# Allegro board MB1045.brd
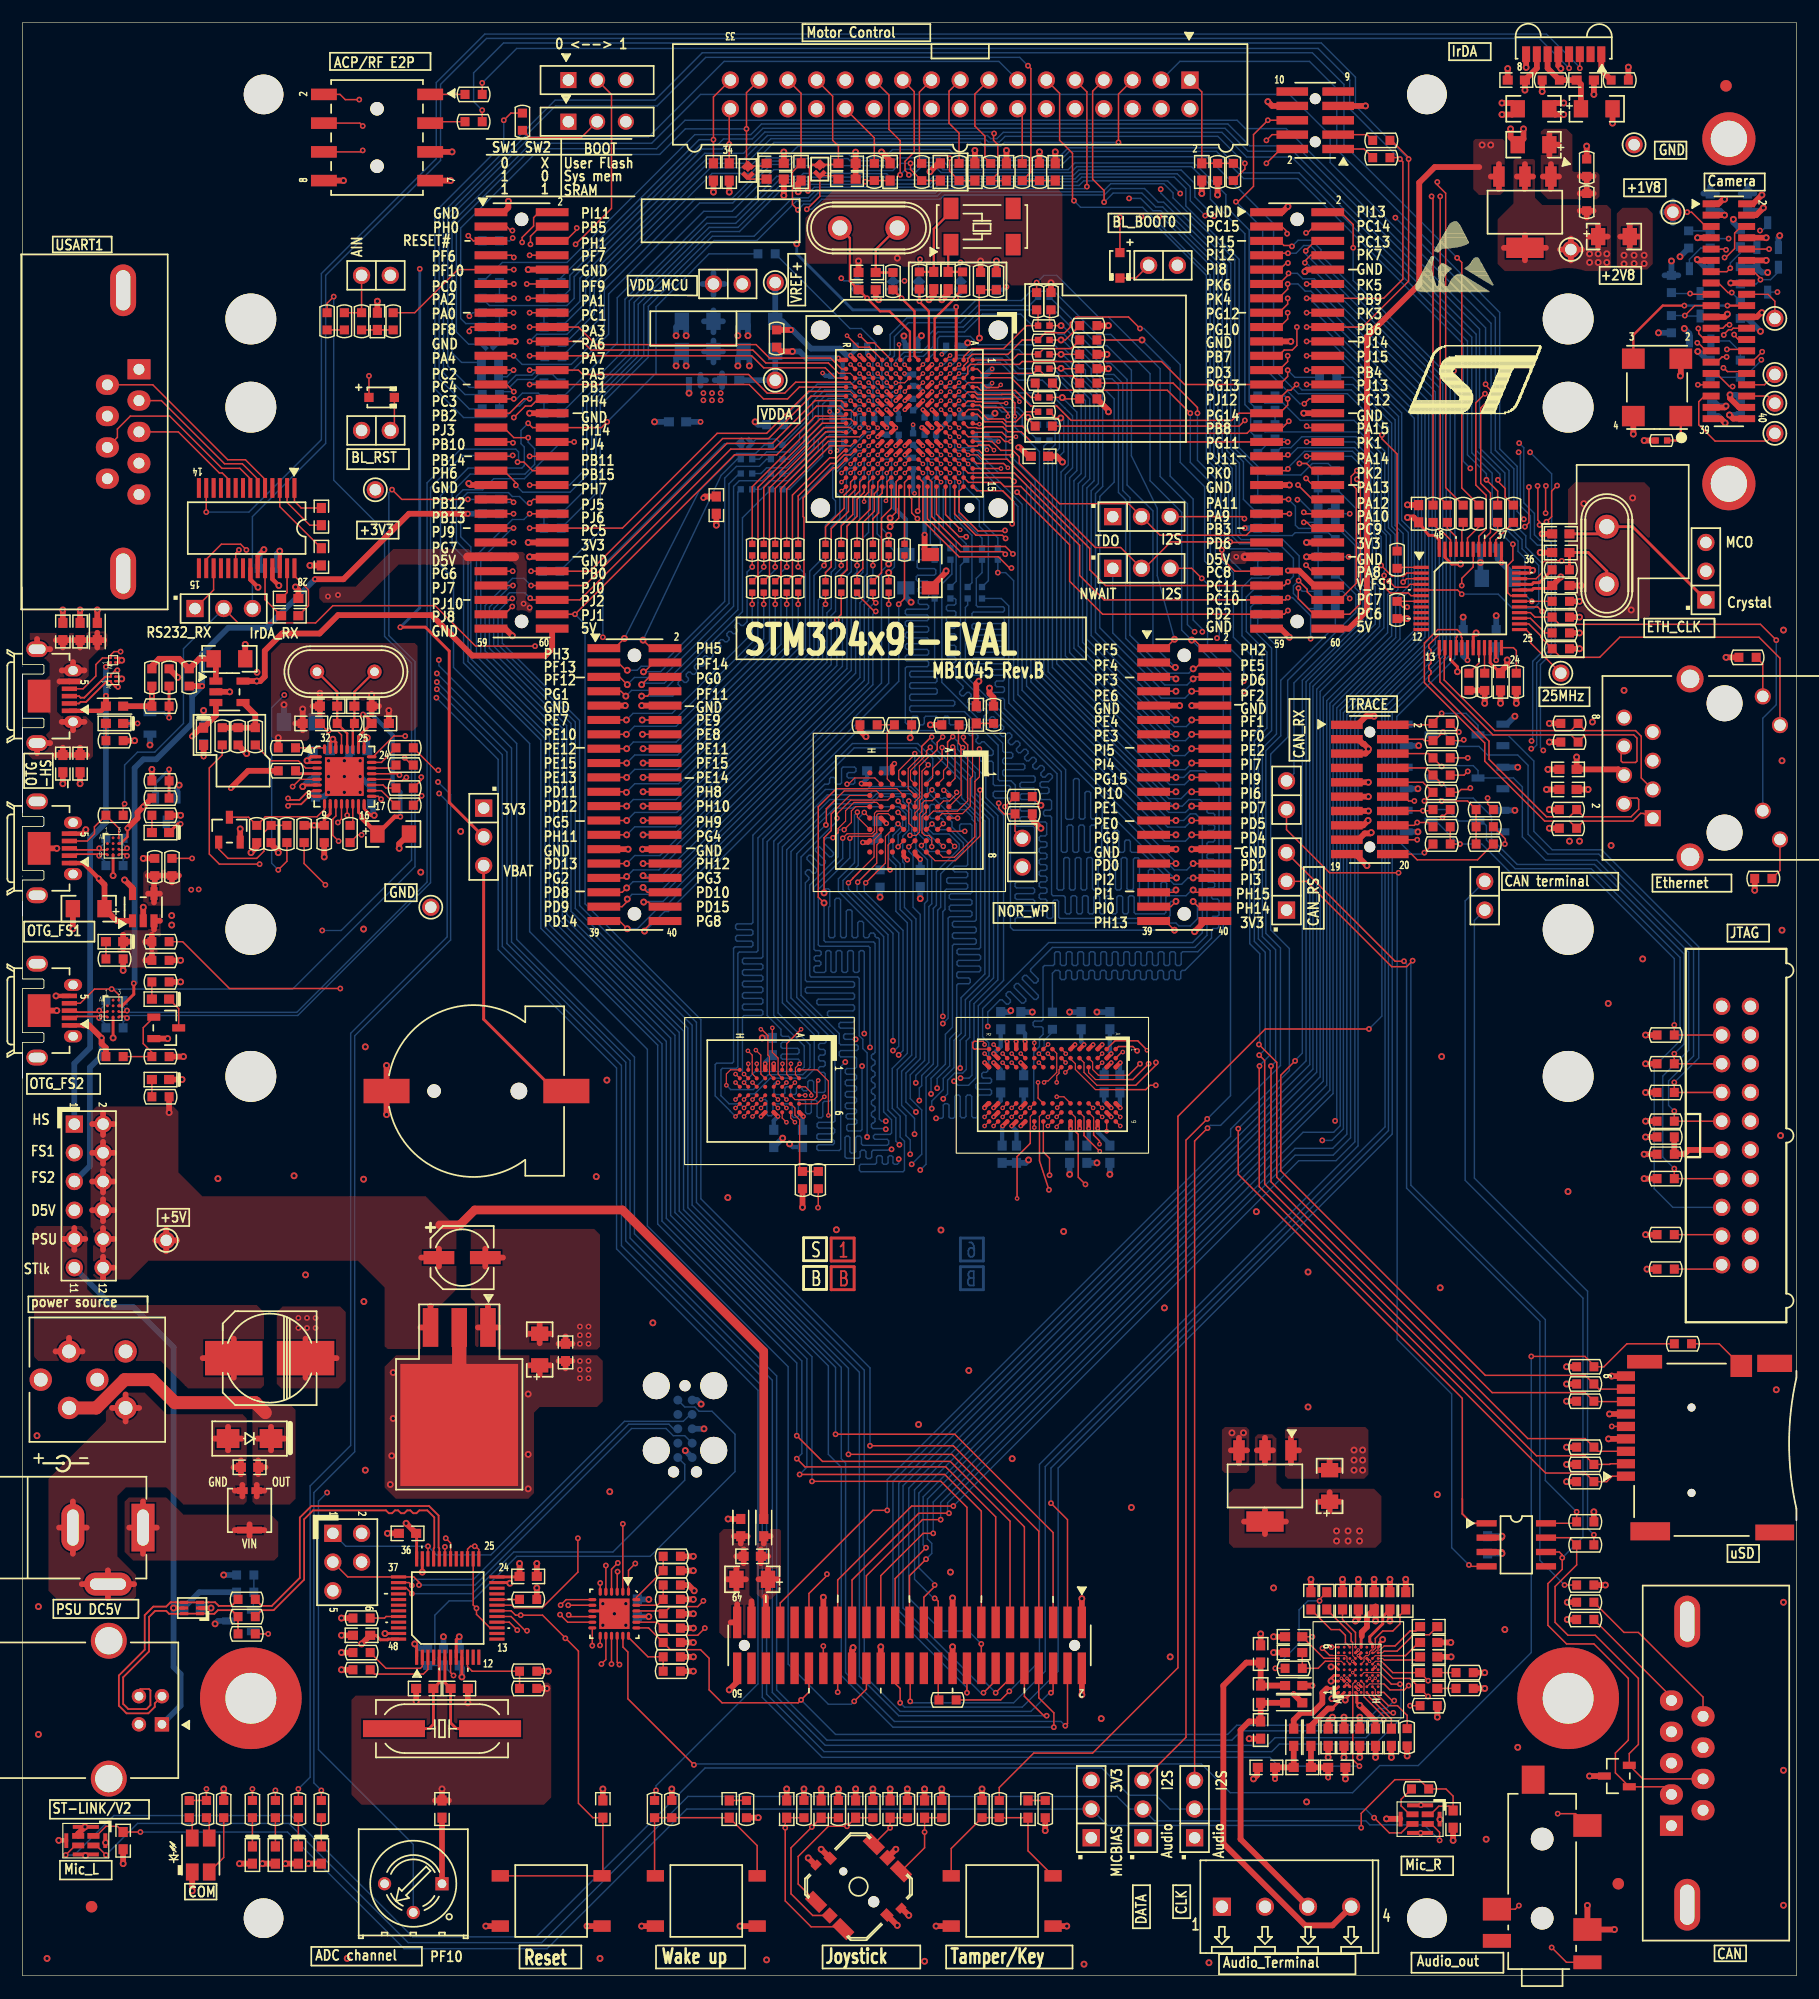
[diagram p0: board, top side]
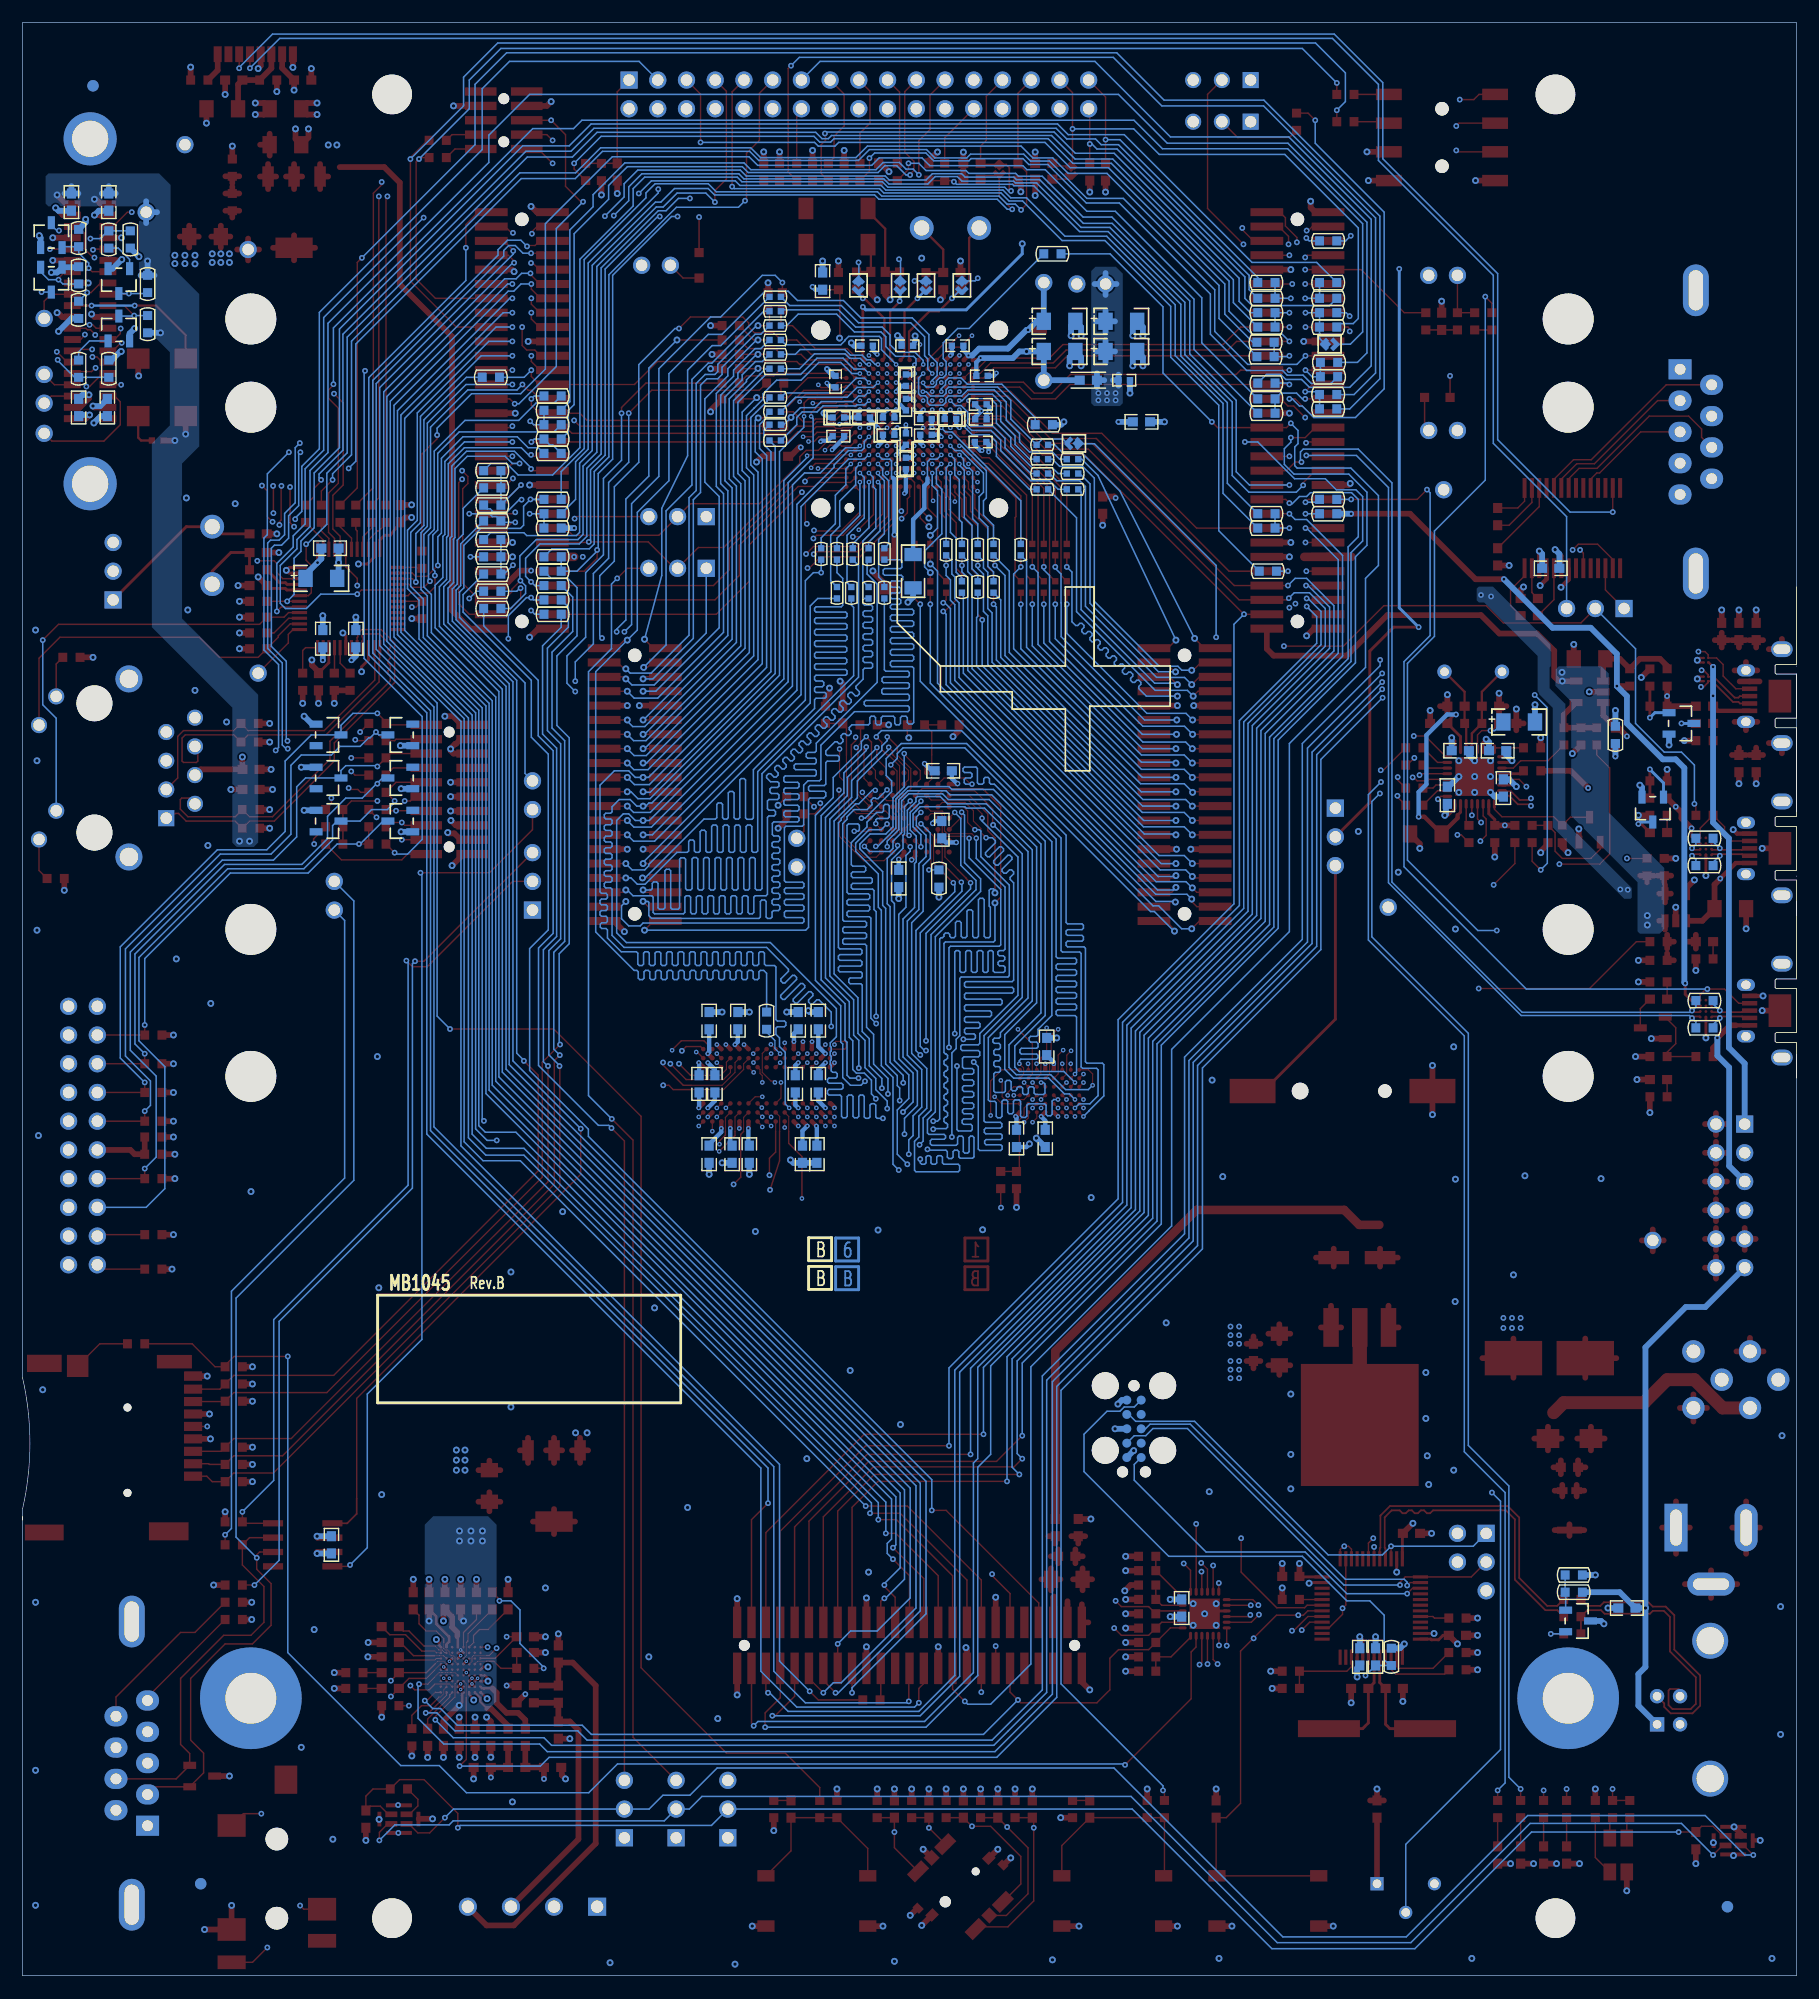
[diagram p1: board, bottom side, seen from below]

Outline 156.84 x 172.72 mm; copper layers: TOP, L2_GND, L3_VCC, L4_SIG, L5_GND, BOTTOM. Coordinates in mm from the lower left corner of the outline.
Outline path: 0,115.82 0,115.8 ; 0,115.14 0,102.87 ; 0,97.26 0,97.21 ; 0,172.72 156.84,172.72 156.84,52.86 arc(156.2,47.08) 156.84,41.3 156.84,40.28 156.84,40.59 156.84,0 0,0 0,81.53 0,79.38 0,82.54 1.79,82.54 1.89,82.64 1.89,83.29 1.79,83.39 0,83.39 0,87.29 1.79,87.29 1.89,87.39 1.89,88.04 1.79,88.14 0,88.14 0,95 0,93.73 0,96.89 1.79,96.89 1.89,96.99 1.89,97.64 1.79,97.75 0,97.75 0,101.64 1.79,101.64 1.89,101.75 1.89,102.4 1.79,102.5 0,102.5 0,109.35 0,107.19 0,110.36 1.79,110.36 1.89,110.46 1.89,111.11 1.79,111.21 0,111.21 0,115.11 1.79,115.11 1.89,115.21 1.89,115.86 1.79,115.96 0,115.96 0,172.72

## Design rules (mm)
net group A0: nets A0 NETR231_1
net group A1: nets A1 NETR226_1
net group A2: nets A2 NETR224_1
net group A3: nets A3 NETR221_1
net group A4: nets A4 NETR217_1
net group A5: nets A5 NETR213_1
net group A6: nets A6 NETR253_1
net group A7: nets A7 NETR250_1
net group A8: nets A8 NETR254_1
net group A9: nets A9 NETR273_1
net group A10: nets A10 NETR258_1
net group A11: nets A11 NETR257_1
net group A12: nets A12 NETR285_1
net group A13: nets A13 NETR269_1
net group A14: nets A14 NETR286_1
net group A15: nets A15 NETR271_1
net group A16: nets A16 NETR272_2
net group A17: nets A17 NETR287_1
net group A18: nets A18 NETR270_1
net group D0: nets D0 NETR74_1
net group D1: nets D1 NETR61_1
net group D2: nets D2 NETR274_1
net group D3: nets D3 NETR288_1
net group D4: nets D4 NETR65_1
net group D5: nets D5 NETR54_1
net group D6: nets D6 NETR53_1
net group D7: nets D7 NETR66_1
net group D8: nets D8 NETR55_1
net group D9: nets D9 NETR67_1
net group D10: nets D10 NETR69_1
net group D11: nets D11 NETR56_1
net group D12: nets D12 NETR68_1
net group D13: nets D13 NETR60_1
net group D14: nets D14 NETR72_1
net group D15: nets D15 NETR73_1
net group D16: nets D16 NETR57_2
net group D17: nets D17 NETR58_2
net group D18: nets D18 NETR70_2
net group D19: nets D19 NETR71_2
net group D20: nets D20 NETR59_2
net group D21: nets D21 NETR278_2
net group D22: nets D22 NETR291_2
net group D23: nets D23 NETR290_2
net group D24: nets D24 NETR277_2
net group D25: nets D25 NETR276_2
net group D26: nets D26 NETR275_2
net group D27: nets D27 NETR289_2
net group D28: nets D28 NETR247_2
net group D29: nets D29 NETR237_2
net group D30: nets D30 NETR241_2
net group NETC16_2: nets NETC16_2 PA6
net group NETC20_1: nets NETC20_1 PH0
net group NETC21_1: nets NETC21_1 PC15
net group NETC22_1: nets NETC22_1 PC14
net group NETC28_1: nets NETC28_1 NETC28_2
net group NETC30_2: nets NETC30_2 NETR64_1
net group NETC35_1: nets NETC35_1 NETC35_2
net group NETC40_1: nets NETC40_1 NETC41_1
net group NETC62_1: nets NETC62_1 NETC62_2
net group NETC68_1: nets NETC68_1 NETC68_2
net group NETC75_1: nets NETC75_1 NETC75_2
net group NETC78_1: nets NETC78_1 NETC78_2
net group NETC89_1: nets NETC89_1 NETR204_1
net group NETCN1_3: nets NETCN1_3 PAR_D0
net group NETCN13_2: nets NETCN13_2 PA13
net group NETCN13_4: nets NETCN13_4 PA14
net group NETCN13_8: nets NETCN13_8 PA15
net group NETCN14_4: nets NETCN14_4 PA10
net group NETCN15_2: nets NETCN15_2 PB14
net group NETCN15_3: nets NETCN15_3 PB15
net group NETCN17_1: nets NETCN17_1 PAR_D8
net group NETCN17_2: nets NETCN17_2 PAR_D4
net group NETCN17_3: nets NETCN17_3 PAR_D11
net group NETCN17_8: nets NETCN17_8 PAR_D3
net group NETCN17_10: nets NETCN17_10 NETR150_1
net group NETCN20_22: nets NETCN20_22 PK7
net group NETCN21_2: nets NETCN21_2 STL_USB_DM
net group NETCN21_3: nets NETCN21_3 STL_USB_DP
net group NETCN22_7: nets NETCN22_7 NETJP11_1
net group NETJP15_3: nets NETJP15_3 PAR_D1
net group NETLD1_2: nets NETLD1_2 PG6
net group NETLD2_2: nets NETLD2_2 PG7
net group NETLD3_2: nets NETLD3_2 PG10
net group NETLD4_2: nets NETLD4_2 PG12
net group NETLD6_2: nets NETLD6_2 NETR124_1
net group NETR5_1: nets NETR5_1 PB2
net group NETR42_1: nets NETR42_1 PG15
net group NETR46_1: nets NETR46_1 PH7
net group NETR47_1: nets NETR47_1 PH6
net group NETR52_1: nets NETR52_1 PF11
net group NETR62_1: nets NETR62_1 PG8
net group NETR92_1: nets NETR92_1 PD7
net group NETR110_1: nets NETR110_1 PD5
net group NETR126_1: nets NETR126_1 PA5
net group NETR146_1: nets NETR146_1 PG9
net group NETR233_2: nets NETR233_2 PG13
net group NETR236_2: nets NETR236_2 PG14
net group NETR248_2: nets NETR248_2 PH3
net group NETR251_2: nets NETR251_2 PH5
net group NETR301_1: nets NETR301_1 PH2
net group NETR303_1: nets NETR303_1 U5V_ST_LINK
net group VDDA: nets VDDA VREF+
net group +1V8: nets NETR44_1
net group +5V: nets NETLD10_1
net group A19: nets A19 NETCN13_6 NETCN13_14 NETR36_1 T_JTDO
net group A20: nets A20 NETCN13_16 NETCN16_3 NETR33_2 PB4
net group A21: nets A21 NETCN13_18 NETR23_2
net group A22: nets A22 NETCN13_20 NETR32_1 NETR120_2 PAR_D7
net group A23: nets A23 NETCN13_12 NETR38_2
net group D31: nets D31 NETR43_1 NETR43_2
net group DATA: nets PE0 PE1 PI4 PI5
net group LED_STLINK: nets LED_STLINK NETLD11_2 NETLD11_3
net group NETB2_2: nets NETB2_2 NETC6_2 NETR193_2 PA0
net group NETB3_2: nets NETB3_2 NETC98_1 PC13
net group NETC7_2: nets NETC7_2 NETCN14_3 NETD5_C3 NETR256_2 PA12
net group NETC8_2: nets NETC8_2 NETR51_1 NETR51_2 PA1
net group NETC9_2: nets NETC9_2 NETR75_1 PA2
net group NETC10_2: nets NETC10_2 NETCN14_2 PA11
net group NETC11_1: nets NETC11_1 NETCN1_26 NETR48_1 NETR48_2 PC5
net group NETC12_2: nets NETC12_2 NETCN1_19 NETR63_1 NETR63_2 PC3
net group NETC13_2: nets NETC13_2 NETCN1_17 NETR228_1 PC2
net group NETC14_2: nets NETC14_2 NETCN1_15 NETR222_1 PC1
net group NETC15_1: nets NETC15_1 NETCN1_14 NETR49_1 NETR49_2 PC4
net group NETC18_2: nets NETC18_2 NETCN20_43 NETJP6_3 PA8
net group NETC24_2: nets NETC24_2 NETCN4_1 NETR25_1 NETR25_2 PF10
net group NETCN1_5: nets NETCN1_5 NETR50_1 NETR50_2 PA7
net group NETCN1_9: nets NETCN1_9 NETR102_1 PB0
net group NETCN1_13: nets NETCN1_13 NETR104_1 PB1
net group NETCN1_21: nets NETCN1_21 NETR249_2 PG11
net group NETCN1_23: nets NETCN1_23 NETR243_1 PAR_D6
net group NETCN2_1: nets NETCN2_1 NETCN3_1 PB9
net group NETCN2_3: nets NETCN2_3 NETCN3_3 PB6
net group NETCN13_10: nets NETCN6_5 NETCN13_10 NETR122_2 RESET#
net group NETCN15_4: nets NETCN15_4 NETR108_1 PB12
net group NETCN17_7: nets NETCN1_11 NETCN17_7 PAR_D2
net group NETLD8_2: nets NETR132_1
net group NETR95_1: nets NETR95_1 NETR95_2 NETR97_1
net group NETR107_2: nets NETR107_2 NETR262_2 PA9 VBUS_FS1
net group NETR112_1: nets NETR112_1 PB13 VBUS_FS2
net group NETR129_2: nets NETR130_2
net group ULPI: nets PA3 PB5 PB10 PB11 PC0 PH4 PI11

## Placement (name value [footprint] x y rotation side)
B1  TD-0341 [RESET_Black]  [PB10]  46.74 6.6 0 top
B2  WKUP  [PB10]  60.45 6.6 0 top
B3  USER (Blue)  [PB10]  86.61 6.6 0 top
B4  EVQQ7  [SW-JOY]  73.91 7.87 45 top
BT1  CR1220 holder  [BAT_2SM_CR1220]  40.13 78.23 180 top
C1  100nF  [0603C]  132.08 167.64 180 top
C2  100nF  [0603C]  138.18 167.64 0 top
C3  4.7uF  [TAN-A]  133.6 165.1 0 top
C4  4.7uF  [TAN-A]  139.19 165.1 180 top
C5  10uF  [TAN-A]  133.6 161.93 0 top
C6  [N_A]  [0603C]  66.55 160.27 180 top
C7  [N_A]  [0603C]  72.9 160.27 180 top
C8  [N_A]  [0603C]  61.09 159.51 90 top
C9  [N_A]  [0603C]  62.48 159.51 90 top
C10  [N_A]  [0603C]  68.83 159.51 90 top
C11  100nF  [0603C]  76.71 159.51 90 top
C12  [N_A]  [0603C]  81.15 159.51 270 top
C13  [N_A]  [0603C]  84.2 159.51 270 top
C14  [N_A]  [0603C]  87 159.51 270 top
C15  100nF  [0603C]  91.31 159.51 90 top
C16  1nF  [0603C]  104.27 159.51 90 top
C17  10nF  [0603C]  66.55 158.88 0 top
C18  [N_A]  [0603C]  72.9 158.88 180 top
C19  10uF  [TAN-A]  140.72 153.8 180 top
C20  20pF  [0603C]  74.68 150.62 180 top
C21  10pF  [0603C]  80.57 149.91 270 top
C22  10pF  [0603C]  81.84 149.91 270 top
C23  20pF  [0603C]  74.68 149.1 0 top
C24  [N_A]  [0603C]  31.37 146.3 270 top
C25  [N_A]  [0603C]  89.92 134.37 180 top
C26  [N_A]  [0603C]  61.34 130.05 90 top
C27  100nF  [0603C]  123.44 129.29 90 top
C28  100nF  [0603C]  26.42 129.03 270 top
C29  22pF  [0603C]  136.02 127.51 180 top
C30  22pF  [0603C]  136.02 125.86 0 top
C31  100nF  [0603C]  26.42 125.48 90 top
C32  2.2uF  [1206C]  80.26 124.21 270 top
C33  100nF  [0603C]  136.02 122.94 180 top
C34  100nF  [0603C]  23.62 121.79 180 top
C35  100nF  [0603C]  23.62 120.27 0 top
C36  100nF  [0603C]  3.56 118.87 90 top
C37  100nF  [0603C]  5.08 118.87 90 top
C38  4.7uF  [TAN-A]  18.29 116.46 180 top
C39  100nF  [0603C]  130.68 114.43 90 top
C40  33pF  [0603C]  27.05 112.27 180 top
C41  33pF  [0603C]  30.1 112.27 0 top
C42  100nF  [0603C]  84.33 111.51 90 top
C43  100nF  [0603C]  25.53 110.74 180 top
C44  100nF  [0603C]  31.62 110.74 0 top
C45  100nF  [0603C]  3.56 107.19 270 top
C46  100nF  [0603C]  5.08 107.19 270 top
C47  100nF  [0603C]  136.65 106.68 0 top
C48  100nF  [0603C]  136.65 104.9 0 top
C49  4.7uF  [TAN-A]  32.77 100.97 180 top
C50  4.7uF  [TAN-A]  5.84 94.36 0 top
C51  47uF  [CAE_5R3X5R3_H5R4]  38.86 63.5 0 top
C52  10uF  [TAN-A]  45.72 55.37 270 top
C53  100nF  [0603C]  48.01 55.12 90 top
C54  220uF  [C310M-6]  21.84 54.61 180 top
C55  100nF  [0603C]  20.07 44.96 180 top
C56  10uF  [TAN-A]  115.57 43.31 270 top
C57  100nF  [0603C]  34.04 39.12 0 top
C58  100nF  [0603C]  64.52 37.08 180 top
C59  100nF  [0603C]  44.7 35.31 0 top
C60  10uF  [TAN-A]  64.52 35.05 0 top
C61  4.7uF  [0603C]  113.92 33.15 270 top
C62  1uF  [0603C]  115.32 33.15 90 top
C63  4.7uF  [0603C]  116.71 33.15 90 top
C64  4.7uF  [0603C]  118.11 33.15 90 top
C65  1uF  [0603C]  119.51 33.15 90 top
C66  100nF  [0603C]  120.9 33.15 90 top
C67  1uF  [0603C]  122.3 33.15 90 top
C68  2.2uF  [0603C]  124.33 30.86 180 top
C69  100nF  [0603C]  29.97 30.1 0 top
C70  4.7uF  [0603C]  112.39 29.97 0 top
C71  2.2uF  [0603C]  124.33 29.46 0 top
C72  4.7uF  [0603C]  112.39 28.57 0 top
C73  33pF  [0603C]  109.47 28.45 90 top
C74  2.2uF  [0603C]  124.33 28.19 0 top
C75  100nF  [0603C]  124.33 26.8 0 top
C76  20pF  [0603C]  35.56 25.4 0 top
C77  20pF  [0603C]  38.61 25.4 180 top
C78  100nF  [0603C]  124.33 25.4 0 top
C79  [N_A]  [0603C]  109.47 24.89 90 top
C80  33pF  [0603C]  109.47 21.72 270 top
C81  100nF  [0603C]  115.44 21.08 270 top
C82  4.7uF  [0603C]  116.84 21.08 270 top
C83  100nF  [0603C]  118.24 21.08 270 top
C84  100nF  [0603C]  119.63 21.08 270 top
C85  1uF  [0603C]  121.03 21.08 270 top
C86  33pF  [0603C]  109.98 18.41 0 top
C87  [N_A]  [0603C]  113.16 18.41 0 top
C88  33pF  [0603C]  116.2 18.41 180 top
C89  100nF  [0603C]  126.49 13.84 270 top
C90  100nF  [0603C]  37.08 14.73 90 top
C91  100nF  [0603C]  51.31 14.73 270 top
C92  [N_A]  [0603C]  62.48 14.73 270 top
C93  10nF  [0603C]  67.56 14.73 270 top
C94  10nF  [0603C]  70.61 14.73 270 top
C95  10nF  [0603C]  73.66 14.73 270 top
C96  10nF  [0603C]  76.71 14.73 270 top
C97  10nF  [0603C]  79.76 14.73 270 top
C98  100nF  [0603C]  88.9 14.73 270 top
C99  100nF  [0603C]  8.89 11.94 270 top
C100  100nF  [0603C]  152.53 156.84 270 bottom
C101  100nF  [0603C]  149.22 156.84 90 bottom
C102  [N_A]  [0603C]  86.11 149.86 270 bottom
C103  1uF  [TAN-A]  65.15 146.3 0 bottom
C104  4.7uF  [TAN-A]  59.69 146.3 0 bottom
C105  100nF  [0402C]  82.17 144.15 0 bottom
C106  100nF  [0402C]  78.61 144.15 0 bottom
C107  100nF  [0402C]  74.17 144.15 180 bottom
C108  1uF  [TAN-A]  65.15 143.64 0 bottom
C109  4.7uF  [TAN-A]  59.69 143.64 0 bottom
C110  100nF  [0402C]  72.01 141.48 0 bottom
C111  100nF  [0402C]  78.74 141.1 90 bottom
C112  100nF  [0402C]  59.44 141.1 180 bottom
C113  100nF  [0402C]  84.96 140.97 90 bottom
C114  100nF  [0402C]  72.11 138.96 180 bottom
C115  100nF  [0402C]  78.74 138.94 270 bottom
C116  100nF  [0603C]  151.89 138.68 90 bottom
C117  100nF  [0603C]  149.35 138.68 90 bottom
C118  100nF  [0402C]  84.71 137.79 180 bottom
C119  100nF  [0402C]  82.42 137.79 0 bottom
C120  100nF  [0402C]  80.26 137.79 180 bottom
C121  100nF  [0402C]  76.96 137.67 0 bottom
C122  100nF  [0402C]  74.8 137.67 180 bottom
C123  100nF  [0402C]  72.11 137.64 180 bottom
C124  [N_A]  [0603C]  57.91 137.41 0 bottom
C125  100nF  [0402C]  80.26 136.27 180 bottom
C126  100nF  [0402C]  76.96 136.27 0 bottom
C127  100nF  [0402C]  84.71 136.14 180 bottom
C128  100nF  [0402C]  78.74 135.89 90 bottom
C129  100nF  [0402C]  72.14 135.64 180 bottom
C130  100nF  [0402C]  78.74 133.73 270 bottom
C131  100nF  [0603C]  129.67 126.24 0 bottom
C132  100nF  [0603C]  21.72 124.46 180 bottom
C133  2.2uF  [1206C]  78.11 124.21 270 bottom
C134  10uF  [TAN-A]  130.43 123.57 0 bottom
C135  100nF  [0603C]  130.3 118.24 90 bottom
C136  100nF  [0603C]  127.38 118.24 270 bottom
C137  4.7uF  [TAN-A]  24.51 110.87 0 bottom
C138  100nF  [0603C]  29.72 108.33 180 bottom
C139  100nF  [0603C]  26.42 108.33 180 bottom
C140  100nF  [0603C]  75.44 106.55 180 bottom
C141  100nF  [0603C]  25.91 105.03 270 bottom
C142  100nF  [0603C]  30.86 104.39 90 bottom
C143  100nF  [0603C]  75.56 101.35 270 bottom
C144  100nF  [0603C]  79.38 97.03 270 bottom
C145  100nF  [0603C]  96.14 84.45 90 bottom
C146  100nF  [0603C]  93.6 84.45 90 bottom
C147  100nF  [0603C]  88.27 84.45 90 bottom
C148  100nF  [0603C]  86.49 84.45 90 bottom
C149  100nF  [0603C]  66.29 82.17 90 bottom
C150  100nF  [0603C]  97.03 78.87 90 bottom
C151  100nF  [0603C]  95.63 78.87 90 bottom
C152  100nF  [0603C]  88.52 78.87 90 bottom
C153  100nF  [0603C]  86.49 78.87 90 bottom
C154  100nF  [0603C]  68.96 74.04 270 bottom
C155  100nF  [0603C]  66.42 74.04 270 bottom
C156  100nF  [0603C]  96.14 72.64 270 bottom
C157  100nF  [0603C]  94.11 72.64 270 bottom
C158  100nF  [0603C]  92.58 72.64 270 bottom
C159  100nF  [0603C]  87.88 72.64 270 bottom
C160  100nF  [0603C]  86.61 72.64 270 bottom
C161  100nF  [0603C]  129.54 38.1 90 bottom
C162  100nF  [0603C]  54.36 32.51 90 bottom
C163  100nF  [0603C]  14.99 32.51 0 bottom
C164  100nF  [0603C]  38.61 28.19 270 bottom
C165  100nF  [0603C]  37.21 28.19 270 bottom
CN1  MC_connector  [IDC34S]  103.22 167.64 270 top
CN2  P127B-2_05MGF-079-1A  [FTSH-105-01-L-DV-K]  114.3 164.08 90 top
CN3  F206A-2_04MGF-A  [SSM-104-L-DH]  31.34 162.56 90 top
CN4  -  [SIP2]  29.97 150.37 0 top
CN5  F1000-2_20MGF-L0A  [CLM-120-02-L-D]  150.88 147.19 270 top
CN6  P1039-2_30MGF-089-1A  [FTR-130-53-L-D-LC]  44.12 137.54 270 top
CN7  P1039-2_30MGF-089-1A  [FTR-130-53-L-D-LC]  112.7 137.54 270 top
CN8  DB9-male USART1  [DB9_M]  10.29 136.53 90 top
CN9  475900001  [MOLEX_47590001]  4.14 113.16 270 top
CN10  J0011D21B  [RJ45_J0011D01BNL]  144.15 102.36 270 top
CN11  P1039-2_20MGF-089-1A  [FTR-120-53-L-D-LC]  54.1 105.33 270 top
CN12  P1039-2_20MGF-089-1A  [FTR-120-53-L-D-LC]  102.72 105.33 270 top
CN13  P127B-2_10MGF-079-1E7A  [FTSH-110-01-L-DV]  119.13 104.9 270 top
CN14  475900001  [MOLEX_47590001]  4.14 99.69 270 top
CN15  475900001  [MOLEX_47590001]  4.14 85.34 270 top
CN16  JTAG  [IDC20S]  150.24 85.72 0 top
CN17  PJS008-2000  [MSD_PJS008_]  147.57 42.7 90 top
CN18  DC-10B  [PWR_JACK_DC10]  10.64 39.62 0 top
CN19  [N_A]  [HDR_2X3-1_2R54-6]  27.43 39.12 270 top
CN20  P127B-2_25MGF-079-1A  [FTSH-125-01-F-DV]  78.42 29.21 180 top
CN21  USB-typeB connector  [USB-B]  12.32 22.23 270 top
CN22  DB9-male CAN connector  [DB9_M]  145.8 18.8 270 top
CN23  PJ3028B-3  [PJ3028B]  134.37 5.08 90 top
CN24  ETE 284392-4 or XY303V  [BUCHANAN_284392-4]  111.76 6.1 0 top
CN25  Tag-Connector  [TC2050-IDC-FP]  58.57 48.36 270 bottom
D1  BAT60JFILM  [SOD-323]  97.03 151.26 270 top
D2  BAT60JFILM  [SOD-323]  31.75 139.57 0 top
D3  ESDA14V2-2BF3  [BGA4_0R4_0R8X0R8]  8 116.33 90 top
D4  USBULC6-2F3  [BGA4_0R4_1X1]  8 114.68 90 top
D5  EMIF02-USB03F2  [BGA11_0R5_1R57X2R07]  8 99.87 0 top
D6  EMIF02-USB03F2  [BGA11_0R5_1R57X2R07]  8 85.52 0 top
D7  ZEN056V130A24LS  [TYCO_ZEN056V130A24LS]  20.07 41.15 90 top
D8  USBLC6-2P6  [SOT-563]  14.99 32.51 90 top
D9  Z5V1  [SOT23-213]  129.79 109.73 270 bottom
D10  Z5V1  [SOT23-213]  123.44 109.73 90 bottom
D11  Z5V1  [SOT23-213]  129.79 105.92 270 bottom
D12  Z5V1  [SOT23-213]  123.44 105.92 90 bottom
D13  [N_A]  [SOT23-213]  129.79 102.11 270 bottom
D14  Z5V1  [SOT23-213]  123.44 102.11 90 bottom
D15  ESDCAN24-2BLY  [SOT23-213]  140.97 17.65 90 top
H1  POSITION HOLE  [HOLE_C9D4R5]  136.66 24.53 0 top
H2  POSITION HOLE  [HOLE_C9D4R5]  20.18 24.53 0 top
JP1  -  [SIP2]  99.57 151.26 0 top
JP2  -  [SIP2]  63.63 149.61 180 top
JP3  -  [SIP2]  32.51 136.65 180 top
JP4  -  [SIP3]  96.39 129.03 0 top
JP5  -  [SIP3]  96.39 124.46 0 top
JP6  -  [SIP3]  148.84 121.67 90 top
JP7  -  [SIP3]  15.24 120.9 0 top
JP8  -  [SIP3]  40.77 103.25 270 top
JP9  -  [SIP2]  88.39 98.04 90 top
JP10  -  [SIP3]  111.76 94.23 90 top
JP11  -  [SIP2]  129.29 94.23 90 top
JP12  Header 6X2  [HDR_2X6_2R54]  4.57 75.31 270 top
JP13  -  [SIP3]  94.49 12.19 90 top
JP14  -  [SIP3]  99.06 12.19 90 top
JP15  -  [SIP3]  103.63 12.19 90 top
JP16  -  [SIP2]  111.76 105.66 270 top
L1  EXC-3BP121H[BEAD]  [0603L]  6.6 118.87 270 top
L2  EXC-3BP121H[BEAD]  [0603L]  8.13 112.27 180 top
L3  BNX002-01  [BNX001]  6.6 52.7 180 top
L4  BEAD(FCM1608KF-601T03)  [0603L]  63.5 39.62 270 top
L5  BEAD(FCM1608KF-601T03)  [0603L]  65.53 39.62 270 top
L6  BLM18HE601SN1D  [0603L]  112.39 25.65 180 top
L7  BLM18HE601SN1D  [0603L]  112.39 24.13 180 top
L8  BLM18HE601SN1D  [0603L]  112.39 21.08 270 top
L9  BLM18HE601SN1D  [0603L]  113.92 21.08 270 top
L10  BEAD(FCM1608KF-601T03)  [0603L]  62.61 141.1 0 bottom
LD1  Green  [0603D]  26.42 10.67 90 top
LD2  Orange  [0603D]  24.38 10.67 90 top
LD3  Red  [0603D]  22.35 10.67 90 top
LD4  Blue  [0603D]  20.32 10.67 90 top
LD5  Green  [0603D]  8.13 110.74 0 top
LD6  Red  [0603D]  16 109.6 90 top
LD7  Green  [0603D]  12.19 101.09 0 top
LD8  Red  [0603D]  8.13 91.44 0 top
LD9  Green  [0603D]  12.19 86.36 0 top
LD10  red  [0603D]  12.19 79.25 0 top
LD11  HSMF-A201-A00J1  [LED2_3528]  15.75 10.67 0 top